# KiCad board pompyboard.kicad_pcb
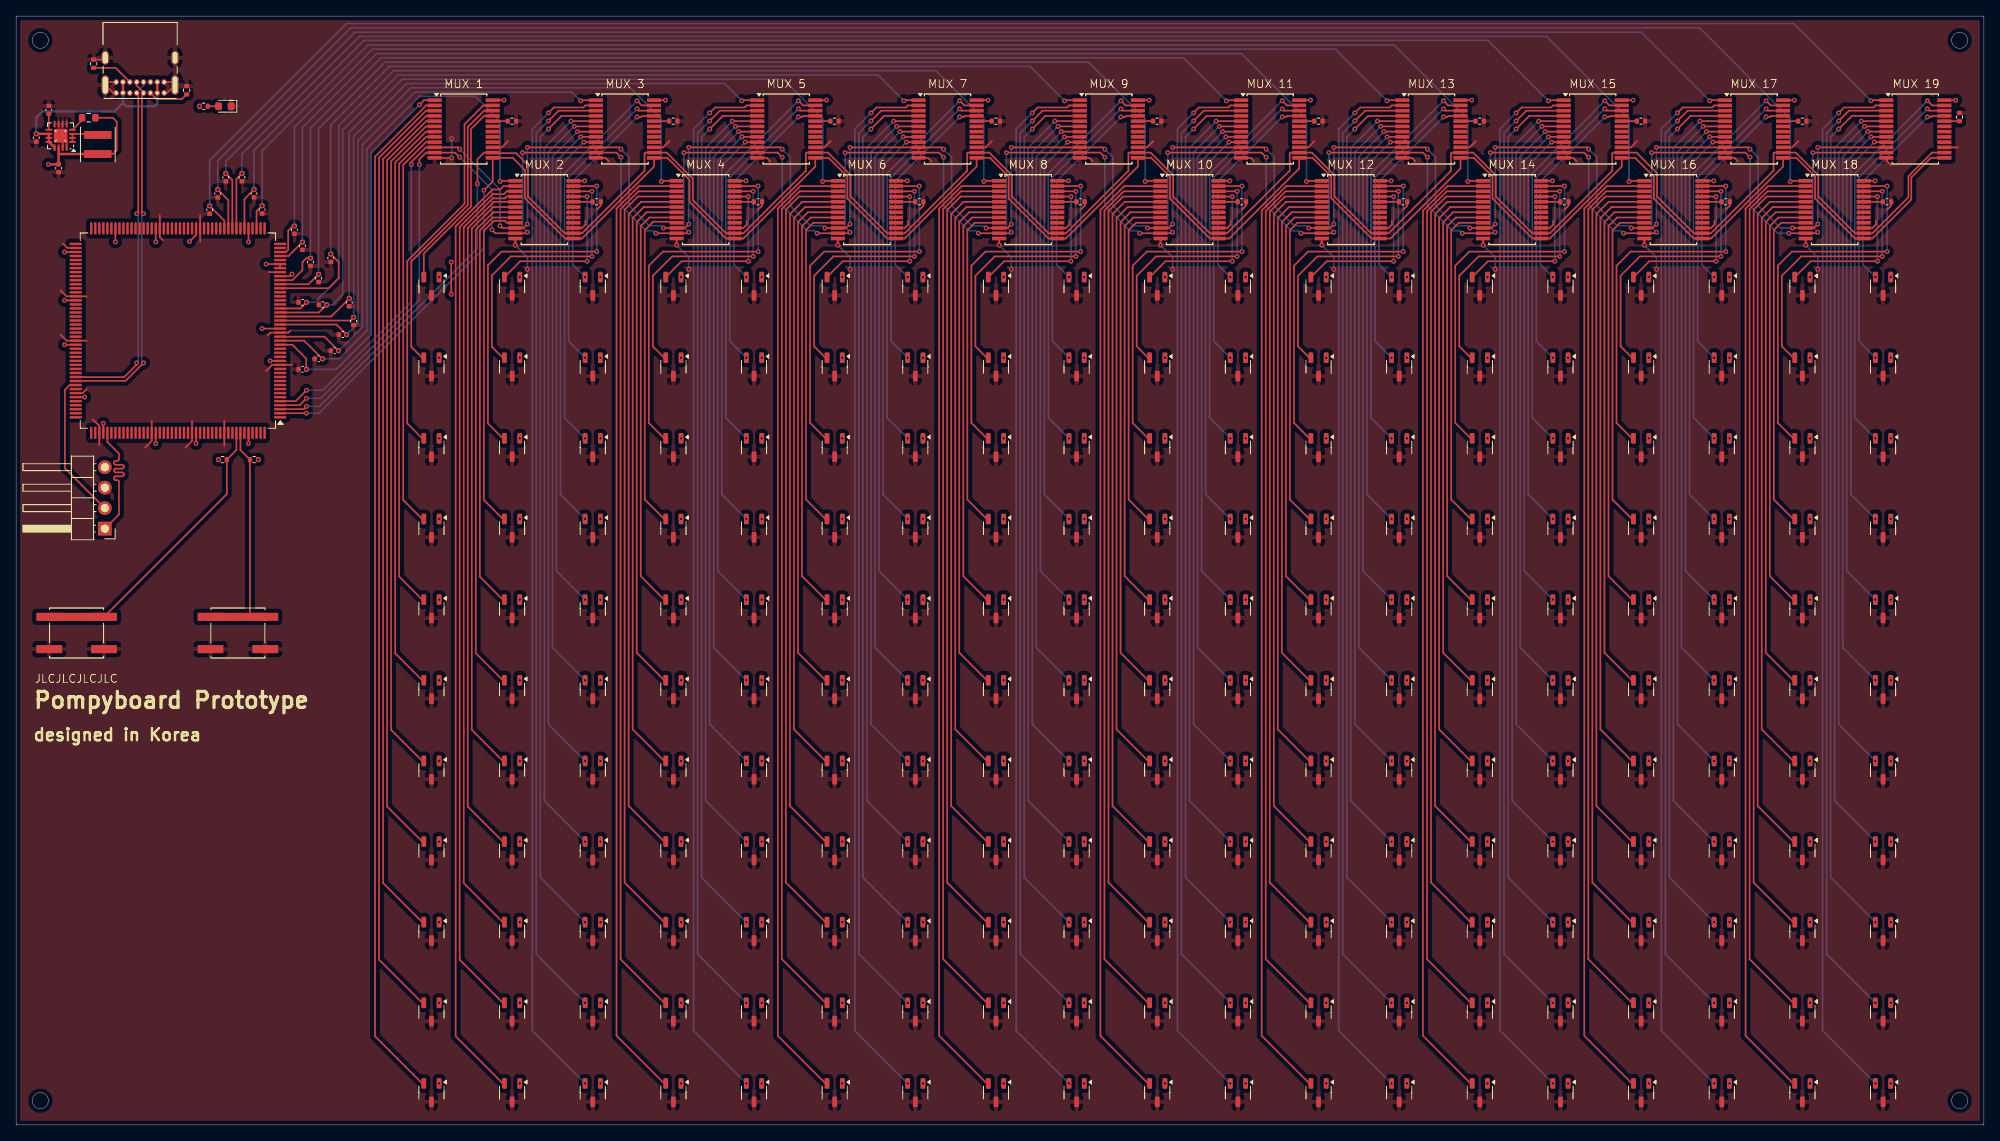
[diagram p0: board, top side]
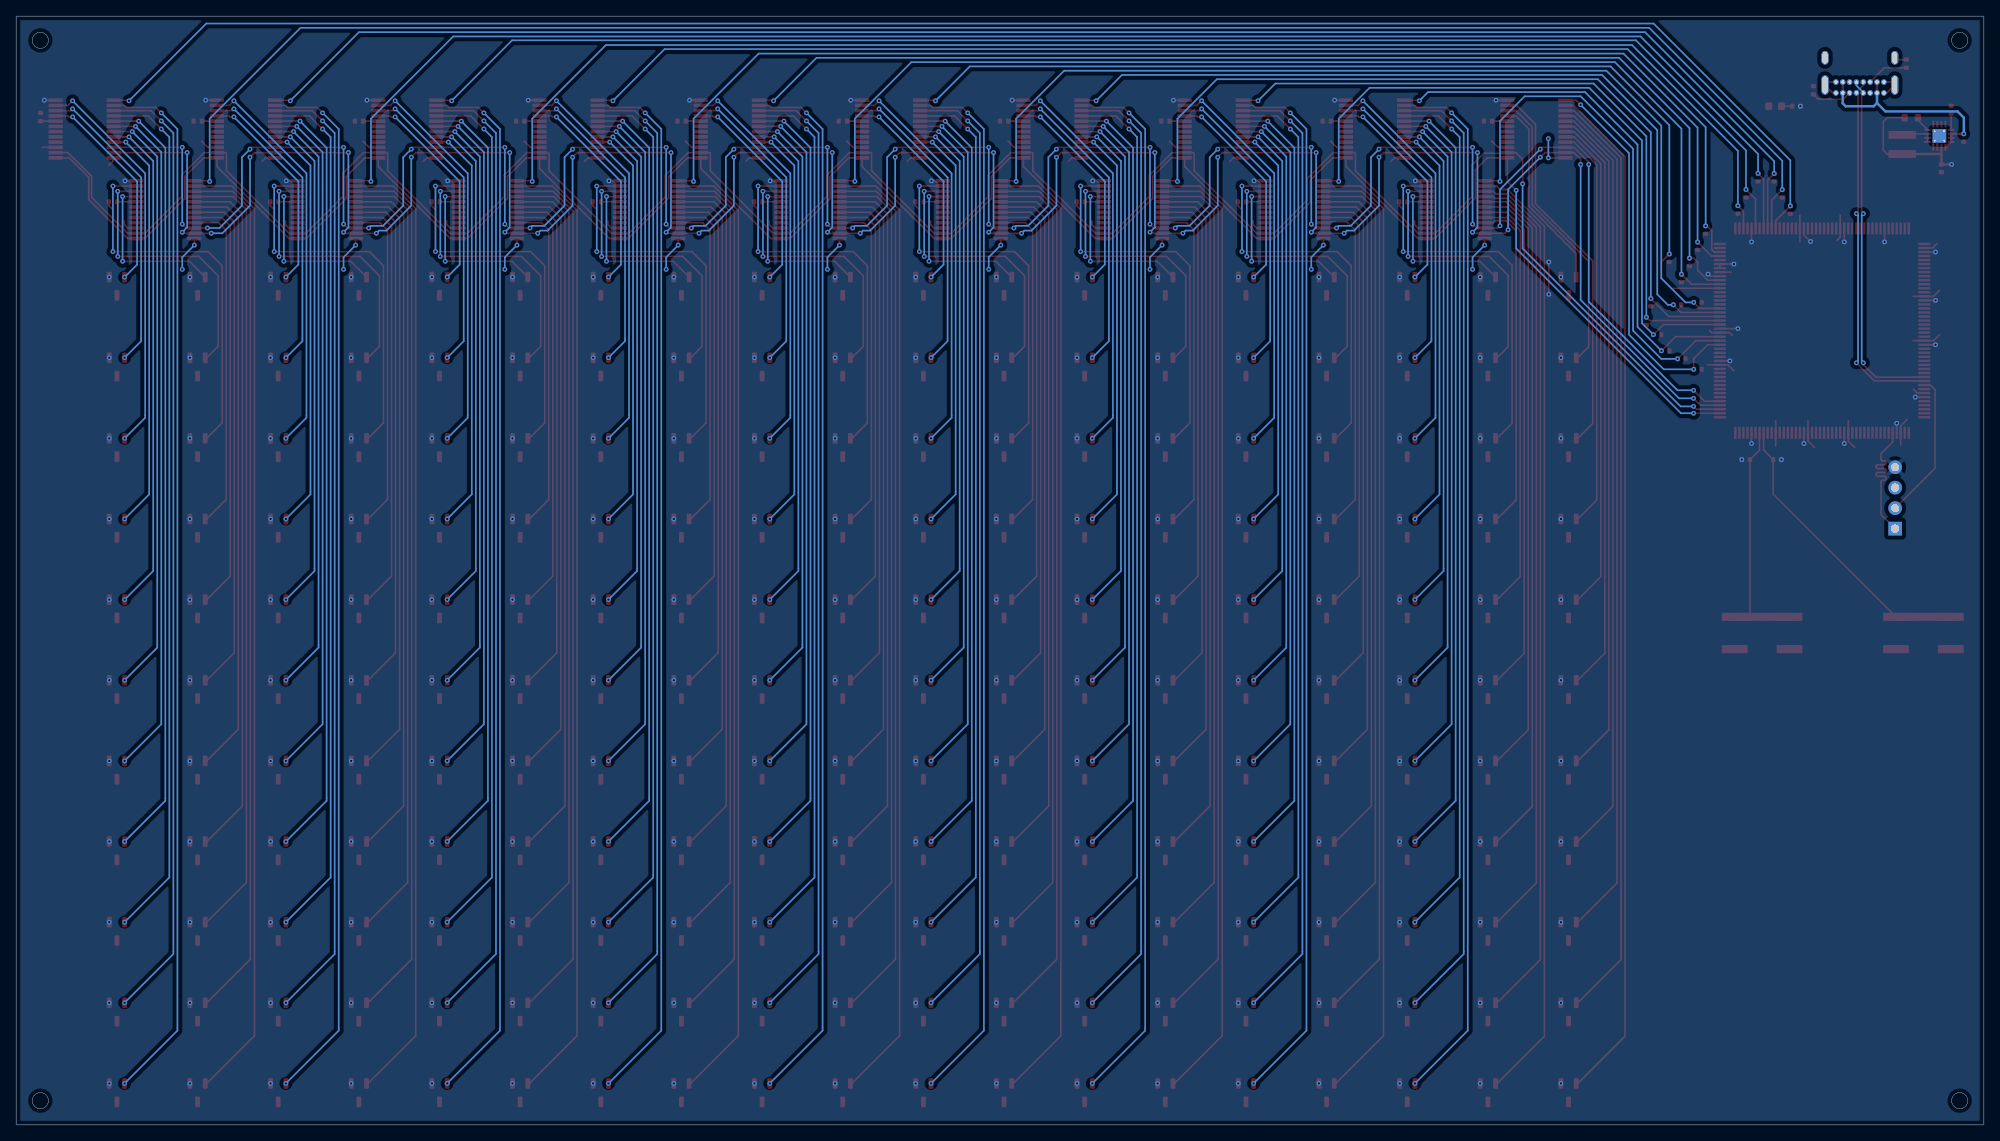
[diagram p1: board, bottom side, seen from below]

Outline 244 x 137.5 mm; copper layers: Top, Bottom. Coordinates in mm from the lower left corner of the outline.
Outline path: rectangle 0,137.5 244,0 ; circle c3,134.5 r1 ; circle c3,3 r1 ; circle c241,134.5 r1 ; circle c241,3 r1
Stack: Top 0.035mm / dielectric 1.51mm FR4 er 4.5 / Bottom 0.035mm

## Placement (name value [footprint] x y rotation side)
C1  0.1u  [C_0402_1005Metric]  35.5 93.7 0 top
C2  0.1u  [C_0402_1005Metric]  37.5 95 0 top
C3  0.1u  [C_0402_1005Metric]  39.5 96 0 top
C4  0.1u  [C_0402_1005Metric]  40.5 98 0 top
C5  0.1u  [C_0402_1005Metric]  41.85 99.67 90 top
C6  0.1u  [C_0402_1005Metric]  41.3 102 90 top
C7  0.1u  [C_0402_1005Metric]  38.02 101.7 0 top
C8  0.1u  [C_0402_1005Metric]  35.5 102 0 top
C9  0.1u  [C_0402_1005Metric]  39.02 107.5 90 top
C10  0.1u  [C_0402_1005Metric]  37.5 105 90 top
C11  0.1u  [C_0402_1005Metric]  36.5 107 90 top
C12  0.1u  [C_0402_1005Metric]  35.5 109 90 top
C13  0.1u  [C_0402_1005Metric]  34.5 111 90 top
C14  0.1u  [C_0402_1005Metric]  30.5 113.5 90 top
C15  0.1u  [C_0402_1005Metric]  29.5 115.5 90 top
C16  0.1u  [C_0402_1005Metric]  28 117.5 90 top
C17  0.1u  [C_0402_1005Metric]  26 117.5 90 top
C18  0.1u  [C_0402_1005Metric]  25 115.5 90 top
C19  0.1u  [C_0402_1005Metric]  24 113.48 90 top
C20  10u  [C_0402_1005Metric]  2.5 122.42 270 top
C21  3.3n  [C_0402_1005Metric]  4.05 125.88 90 top
C22  22u  [C_0402_1005Metric]  5.27 118.63 270 top
D1  F.0603.00139/P2-0603R1TS2-06T-002  [LED_0603_1608Metric]  25.88 126.33 180 top
J1  USB_C_Receptacle_USB2.0_16P  [USB_C_Receptacle_GCT_USB4085]  18.35 127.97 180 top
J2  Conn_01x04_Pin  [PinHeader_1x04_P2.54mm_Horizontal]  11 73.94 180 top
L1  2.2u  [L_Coilcraft_XxL4020]  10.13 121.59 270 top
R1  1k  [R_0402_1005Metric]  61.48 124.47 0 top
R2  1k  [R_0402_1005Metric]  71.98 114.47 0 top
R3  1k  [R_0402_1005Metric]  81.48 124.47 0 top
R4  1k  [R_0402_1005Metric]  91.98 114.47 0 top
R5  1k  [R_0402_1005Metric]  101.48 124.47 0 top
R6  1k  [R_0402_1005Metric]  111.99 114.47 0 top
R7  1k  [R_0402_1005Metric]  121.49 124.47 0 top
R8  1k  [R_0402_1005Metric]  131.99 114.47 0 top
R9  1k  [R_0402_1005Metric]  141.49 124.47 0 top
R10  1k  [R_0402_1005Metric]  151.99 114.47 0 top
R11  1k  [R_0402_1005Metric]  161.49 124.47 0 top
R12  1k  [R_0402_1005Metric]  171.99 114.47 0 top
R13  1k  [R_0402_1005Metric]  181.49 124.47 0 top
R14  1k  [R_0402_1005Metric]  191.99 114.47 0 top
R15  1k  [R_0402_1005Metric]  201.49 124.47 0 top
R16  1k  [R_0402_1005Metric]  211.99 114.47 0 top
R17  1k  [R_0402_1005Metric]  221.49 124.47 0 top
R18  1k  [R_0402_1005Metric]  231.99 114.47 0 top
R19  1k  [R_0402_1005Metric]  240.98 124.98 90 top
R20  10k  [R_0402_1005Metric]  29.51 82.5 180 top
R21  10k  [R_0402_1005Metric]  25.62 82.5 0 top
R22  5.1k  [R_0402_1005Metric]  9.61 131.6 90 top
R23  5.1k  [R_0402_1005Metric]  21.15 128.31 270 top
R24  100k  [R_0603_1608Metric]  9 124.9 180 top
R25  1k  [R_0402_1005Metric]  23.26 126.33 0 top
SW1  EVQQ2B03W  [SW_SPST_EVQQ2]  27.5 61 0 top
SW2  EVQQ2B03W  [SW_SPST_EVQQ2]  7.5 61 0 top
U1  AH49HSC  [SOT-23-3]  51.5 104 270 top
U2  AH49HSC  [SOT-23-3]  61.5 104 270 top
U3  AH49HSC  [SOT-23-3]  71.5 104 270 top
U4  AH49HSC  [SOT-23-3]  81.5 104 270 top
U5  AH49HSC  [SOT-23-3]  91.5 104 270 top
U6  AH49HSC  [SOT-23-3]  101.5 104 270 top
U7  AH49HSC  [SOT-23-3]  111.5 104 270 top
U8  AH49HSC  [SOT-23-3]  121.5 104 270 top
U9  AH49HSC  [SOT-23-3]  131.5 104 270 top
U10  AH49HSC  [SOT-23-3]  141.5 104 270 top
U11  AH49HSC  [SOT-23-3]  151.5 104 270 top
U12  AH49HSC  [SOT-23-3]  161.5 104 270 top
U13  AH49HSC  [SOT-23-3]  171.5 104 270 top
U14  AH49HSC  [SOT-23-3]  181.5 104 270 top
U15  AH49HSC  [SOT-23-3]  191.5 104 270 top
U16  AH49HSC  [SOT-23-3]  201.5 104 270 top
U17  AH49HSC  [SOT-23-3]  211.5 104 270 top
U18  AH49HSC  [SOT-23-3]  221.5 104 270 top
U19  AH49HSC  [SOT-23-3]  231.5 104 270 top
U20  AH49HSC  [SOT-23-3]  51.5 94 270 top
U21  AH49HSC  [SOT-23-3]  61.5 94 270 top
U22  AH49HSC  [SOT-23-3]  71.5 94 270 top
U23  AH49HSC  [SOT-23-3]  81.5 94 270 top
U24  AH49HSC  [SOT-23-3]  91.5 94 270 top
U25  AH49HSC  [SOT-23-3]  101.5 94 270 top
U26  AH49HSC  [SOT-23-3]  111.5 94 270 top
U27  AH49HSC  [SOT-23-3]  121.5 94 270 top
U28  AH49HSC  [SOT-23-3]  131.5 94 270 top
U29  AH49HSC  [SOT-23-3]  141.5 94 270 top
U30  AH49HSC  [SOT-23-3]  151.5 94 270 top
U31  AH49HSC  [SOT-23-3]  161.5 94 270 top
U32  AH49HSC  [SOT-23-3]  171.5 94 270 top
U33  AH49HSC  [SOT-23-3]  181.5 94 270 top
U34  AH49HSC  [SOT-23-3]  191.5 94 270 top
U35  AH49HSC  [SOT-23-3]  201.5 94 270 top
U36  AH49HSC  [SOT-23-3]  211.5 94 270 top
U37  AH49HSC  [SOT-23-3]  221.5 94 270 top
U38  AH49HSC  [SOT-23-3]  231.5 94 270 top
U39  AH49HSC  [SOT-23-3]  51.5 84 270 top
U40  AH49HSC  [SOT-23-3]  61.5 84 270 top
U41  AH49HSC  [SOT-23-3]  71.5 84 270 top
U42  AH49HSC  [SOT-23-3]  81.5 84 270 top
U43  AH49HSC  [SOT-23-3]  91.5 84 270 top
U44  AH49HSC  [SOT-23-3]  101.5 84 270 top
U45  AH49HSC  [SOT-23-3]  111.5 84 270 top
U46  AH49HSC  [SOT-23-3]  121.5 84 270 top
U47  AH49HSC  [SOT-23-3]  131.5 84 270 top
U48  AH49HSC  [SOT-23-3]  141.5 84 270 top
U49  AH49HSC  [SOT-23-3]  151.5 84 270 top
U50  AH49HSC  [SOT-23-3]  161.5 84 270 top
U51  AH49HSC  [SOT-23-3]  171.5 84 270 top
U52  AH49HSC  [SOT-23-3]  181.5 84 270 top
U53  AH49HSC  [SOT-23-3]  191.5 84 270 top
U54  AH49HSC  [SOT-23-3]  201.5 84 270 top
U55  AH49HSC  [SOT-23-3]  211.5 84 270 top
U56  AH49HSC  [SOT-23-3]  221.5 84 270 top
U57  AH49HSC  [SOT-23-3]  231.5 84 270 top
U58  AH49HSC  [SOT-23-3]  51.5 74 270 top
U59  AH49HSC  [SOT-23-3]  61.5 74 270 top
U60  AH49HSC  [SOT-23-3]  71.5 74 270 top
U61  AH49HSC  [SOT-23-3]  81.5 74 270 top
U62  AH49HSC  [SOT-23-3]  91.5 74 270 top
U63  AH49HSC  [SOT-23-3]  101.5 74 270 top
U64  AH49HSC  [SOT-23-3]  111.5 74 270 top
U65  AH49HSC  [SOT-23-3]  121.5 74 270 top
U66  AH49HSC  [SOT-23-3]  131.5 74 270 top
U67  AH49HSC  [SOT-23-3]  141.5 74 270 top
U68  AH49HSC  [SOT-23-3]  151.5 74 270 top
U69  AH49HSC  [SOT-23-3]  161.5 74 270 top
U70  AH49HSC  [SOT-23-3]  171.5 74 270 top
U71  AH49HSC  [SOT-23-3]  181.5 74 270 top
U72  AH49HSC  [SOT-23-3]  191.5 74 270 top
U73  AH49HSC  [SOT-23-3]  201.5 74 270 top
U74  AH49HSC  [SOT-23-3]  211.5 74 270 top
U75  AH49HSC  [SOT-23-3]  221.5 74 270 top
U76  AH49HSC  [SOT-23-3]  231.5 74 270 top
U77  AH49HSC  [SOT-23-3]  51.5 64 270 top
U78  AH49HSC  [SOT-23-3]  61.5 64 270 top
U79  AH49HSC  [SOT-23-3]  71.5 64 270 top
U80  AH49HSC  [SOT-23-3]  81.5 64 270 top
U81  AH49HSC  [SOT-23-3]  91.5 64 270 top
U82  AH49HSC  [SOT-23-3]  101.5 64 270 top
U83  AH49HSC  [SOT-23-3]  111.5 64 270 top
U84  AH49HSC  [SOT-23-3]  121.5 64 270 top
U85  AH49HSC  [SOT-23-3]  131.5 64 270 top
U86  AH49HSC  [SOT-23-3]  141.5 64 270 top
U87  AH49HSC  [SOT-23-3]  151.5 64 270 top
U88  AH49HSC  [SOT-23-3]  161.5 64 270 top
U89  AH49HSC  [SOT-23-3]  171.5 64 270 top
U90  AH49HSC  [SOT-23-3]  181.5 64 270 top
U91  AH49HSC  [SOT-23-3]  191.5 64 270 top
U92  AH49HSC  [SOT-23-3]  201.5 64 270 top
U93  AH49HSC  [SOT-23-3]  211.5 64 270 top
U94  AH49HSC  [SOT-23-3]  221.5 64 270 top
U95  AH49HSC  [SOT-23-3]  231.5 64 270 top
U96  AH49HSC  [SOT-23-3]  51.5 54 270 top
U97  AH49HSC  [SOT-23-3]  61.5 54 270 top
U98  AH49HSC  [SOT-23-3]  71.5 54 270 top
U99  AH49HSC  [SOT-23-3]  81.5 54 270 top
U100  AH49HSC  [SOT-23-3]  91.5 54 270 top
U101  AH49HSC  [SOT-23-3]  101.5 54 270 top
U102  AH49HSC  [SOT-23-3]  111.5 54 270 top
U103  AH49HSC  [SOT-23-3]  121.5 54 270 top
U104  AH49HSC  [SOT-23-3]  131.5 54 270 top
U105  AH49HSC  [SOT-23-3]  141.5 54 270 top
U106  AH49HSC  [SOT-23-3]  151.5 54 270 top
U107  AH49HSC  [SOT-23-3]  161.5 54 270 top
U108  AH49HSC  [SOT-23-3]  171.5 54 270 top
U109  AH49HSC  [SOT-23-3]  181.5 54 270 top
U110  AH49HSC  [SOT-23-3]  191.5 54 270 top
U111  AH49HSC  [SOT-23-3]  201.5 54 270 top
U112  AH49HSC  [SOT-23-3]  211.5 54 270 top
U113  AH49HSC  [SOT-23-3]  221.5 54 270 top
U114  AH49HSC  [SOT-23-3]  231.5 54 270 top
U115  AH49HSC  [SOT-23-3]  51.5 44 270 top
U116  AH49HSC  [SOT-23-3]  61.5 44 270 top
U117  AH49HSC  [SOT-23-3]  71.5 44 270 top
U118  AH49HSC  [SOT-23-3]  81.5 44 270 top
U119  AH49HSC  [SOT-23-3]  91.5 44 270 top
U120  AH49HSC  [SOT-23-3]  101.5 44 270 top
U121  AH49HSC  [SOT-23-3]  111.5 44 270 top
U122  AH49HSC  [SOT-23-3]  121.5 44 270 top
U123  AH49HSC  [SOT-23-3]  131.5 44 270 top
U124  AH49HSC  [SOT-23-3]  141.5 44 270 top
U125  AH49HSC  [SOT-23-3]  151.5 44 270 top
U126  AH49HSC  [SOT-23-3]  161.5 44 270 top
U127  AH49HSC  [SOT-23-3]  171.5 44 270 top
U128  AH49HSC  [SOT-23-3]  181.5 44 270 top
U129  AH49HSC  [SOT-23-3]  191.5 44 270 top
U130  AH49HSC  [SOT-23-3]  201.5 44 270 top
U131  AH49HSC  [SOT-23-3]  211.5 44 270 top
U132  AH49HSC  [SOT-23-3]  221.5 44 270 top
U133  AH49HSC  [SOT-23-3]  231.5 44 270 top
U134  AH49HSC  [SOT-23-3]  51.5 34 270 top
U135  AH49HSC  [SOT-23-3]  61.5 34 270 top
U136  AH49HSC  [SOT-23-3]  71.5 34 270 top
U137  AH49HSC  [SOT-23-3]  81.5 34 270 top
U138  AH49HSC  [SOT-23-3]  91.5 34 270 top
U139  AH49HSC  [SOT-23-3]  101.5 34 270 top
U140  AH49HSC  [SOT-23-3]  111.5 34 270 top
U141  AH49HSC  [SOT-23-3]  121.5 34 270 top
U142  AH49HSC  [SOT-23-3]  131.5 34 270 top
U143  AH49HSC  [SOT-23-3]  141.5 34 270 top
U144  AH49HSC  [SOT-23-3]  151.5 34 270 top
U145  AH49HSC  [SOT-23-3]  161.5 34 270 top
U146  AH49HSC  [SOT-23-3]  171.5 34 270 top
U147  AH49HSC  [SOT-23-3]  181.5 34 270 top
U148  AH49HSC  [SOT-23-3]  191.5 34 270 top
U149  AH49HSC  [SOT-23-3]  201.5 34 270 top
U150  AH49HSC  [SOT-23-3]  211.5 34 270 top
U151  AH49HSC  [SOT-23-3]  221.5 34 270 top
U152  AH49HSC  [SOT-23-3]  231.5 34 270 top
U153  AH49HSC  [SOT-23-3]  51.5 24 270 top
U154  AH49HSC  [SOT-23-3]  61.5 24 270 top
U155  AH49HSC  [SOT-23-3]  71.5 24 270 top
U156  AH49HSC  [SOT-23-3]  81.5 24 270 top
U157  AH49HSC  [SOT-23-3]  91.5 24 270 top
U158  AH49HSC  [SOT-23-3]  101.5 24 270 top
U159  AH49HSC  [SOT-23-3]  111.5 24 270 top
U160  AH49HSC  [SOT-23-3]  121.5 24 270 top
U161  AH49HSC  [SOT-23-3]  131.5 24 270 top
U162  AH49HSC  [SOT-23-3]  141.5 24 270 top
U163  AH49HSC  [SOT-23-3]  151.5 24 270 top
U164  AH49HSC  [SOT-23-3]  161.5 24 270 top
U165  AH49HSC  [SOT-23-3]  171.5 24 270 top
U166  AH49HSC  [SOT-23-3]  181.5 24 270 top
U167  AH49HSC  [SOT-23-3]  191.5 24 270 top
U168  AH49HSC  [SOT-23-3]  201.5 24 270 top
U169  AH49HSC  [SOT-23-3]  211.5 24 270 top
U170  AH49HSC  [SOT-23-3]  221.5 24 270 top
U171  AH49HSC  [SOT-23-3]  231.5 24 270 top
U172  AH49HSC  [SOT-23-3]  51.5 14 270 top
U173  AH49HSC  [SOT-23-3]  61.5 14 270 top
U174  AH49HSC  [SOT-23-3]  71.5 14 270 top
U175  AH49HSC  [SOT-23-3]  81.5 14 270 top
U176  AH49HSC  [SOT-23-3]  91.5 14 270 top
U177  AH49HSC  [SOT-23-3]  101.5 14 270 top
U178  AH49HSC  [SOT-23-3]  111.5 14 270 top
U179  AH49HSC  [SOT-23-3]  121.5 14 270 top
U180  AH49HSC  [SOT-23-3]  131.5 14 270 top
U181  AH49HSC  [SOT-23-3]  141.5 14 270 top
U182  AH49HSC  [SOT-23-3]  151.5 14 270 top
U183  AH49HSC  [SOT-23-3]  161.5 14 270 top
U184  AH49HSC  [SOT-23-3]  171.5 14 270 top
U185  AH49HSC  [SOT-23-3]  181.5 14 270 top
U186  AH49HSC  [SOT-23-3]  191.5 14 270 top
U187  AH49HSC  [SOT-23-3]  201.5 14 270 top
U188  AH49HSC  [SOT-23-3]  211.5 14 270 top
U189  AH49HSC  [SOT-23-3]  221.5 14 270 top
U190  AH49HSC  [SOT-23-3]  231.5 14 270 top
U191  AH49HSC  [SOT-23-3]  51.5 4 270 top
U192  AH49HSC  [SOT-23-3]  61.5 4 270 top
U193  AH49HSC  [SOT-23-3]  71.5 4 270 top
U194  AH49HSC  [SOT-23-3]  81.5 4 270 top
U195  AH49HSC  [SOT-23-3]  91.5 4 270 top
U196  AH49HSC  [SOT-23-3]  101.5 4 270 top
U197  AH49HSC  [SOT-23-3]  111.5 4 270 top
U198  AH49HSC  [SOT-23-3]  121.5 4 270 top
U199  AH49HSC  [SOT-23-3]  131.5 4 270 top
U200  AH49HSC  [SOT-23-3]  141.5 4 270 top
U201  AH49HSC  [SOT-23-3]  151.5 4 270 top
U202  AH49HSC  [SOT-23-3]  161.5 4 270 top
U203  AH49HSC  [SOT-23-3]  171.5 4 270 top
U204  AH49HSC  [SOT-23-3]  181.5 4 270 top
U205  AH49HSC  [SOT-23-3]  191.5 4 270 top
U206  AH49HSC  [SOT-23-3]  201.5 4 270 top
U207  AH49HSC  [SOT-23-3]  211.5 4 270 top
U208  AH49HSC  [SOT-23-3]  221.5 4 270 top
U209  AH49HSC  [SOT-23-3]  231.5 4 270 top
U210  CD74HC4067SM96  [SSOP-24_5.3x8.2mm_P0.65mm]  55.5 123.5 0 top
U211  CD74HC4067SM96  [SSOP-24_5.3x8.2mm_P0.65mm]  65.5 113.5 0 top
U212  CD74HC4067SM96  [SSOP-24_5.3x8.2mm_P0.65mm]  75.5 123.5 0 top
U213  CD74HC4067SM96  [SSOP-24_5.3x8.2mm_P0.65mm]  85.5 113.5 0 top
U214  CD74HC4067SM96  [SSOP-24_5.3x8.2mm_P0.65mm]  95.5 123.5 0 top
U215  CD74HC4067SM96  [SSOP-24_5.3x8.2mm_P0.65mm]  105.5 113.5 0 top
U216  CD74HC4067SM96  [SSOP-24_5.3x8.2mm_P0.65mm]  115.5 123.5 0 top
U217  CD74HC4067SM96  [SSOP-24_5.3x8.2mm_P0.65mm]  125.5 113.5 0 top
U218  CD74HC4067SM96  [SSOP-24_5.3x8.2mm_P0.65mm]  135.5 123.5 0 top
U219  CD74HC4067SM96  [SSOP-24_5.3x8.2mm_P0.65mm]  145.5 113.5 0 top
U220  CD74HC4067SM96  [SSOP-24_5.3x8.2mm_P0.65mm]  155.5 123.5 0 top
U221  CD74HC4067SM96  [SSOP-24_5.3x8.2mm_P0.65mm]  165.5 113.5 0 top
U222  CD74HC4067SM96  [SSOP-24_5.3x8.2mm_P0.65mm]  175.5 123.5 0 top
U223  CD74HC4067SM96  [SSOP-24_5.3x8.2mm_P0.65mm]  185.5 113.5 0 top
U224  CD74HC4067SM96  [SSOP-24_5.3x8.2mm_P0.65mm]  195.5 123.5 0 top
U225  CD74HC4067SM96  [SSOP-24_5.3x8.2mm_P0.65mm]  205.5 113.5 0 top
U226  CD74HC4067SM96  [SSOP-24_5.3x8.2mm_P0.65mm]  215.5 123.5 0 top
U227  CD74HC4067SM96  [SSOP-24_5.3x8.2mm_P0.65mm]  225.5 113.5 0 top
U228  CD74HC4067SM96  [SSOP-24_5.3x8.2mm_P0.65mm]  235.5 123.5 0 top
U229  STM32F429IGT6  [LQFP-176_24x24mm_P0.5mm]  20.06 98.5 180 top
U231  TPS62152  [VQFN-16-1EP_3x3mm_P0.5mm_EP1.68x1.68mm_ThermalVias]  5.52 122.65 180 top

## Library data of the parts
C1-C19 = -: Description: Unpolarized capacitor; LCSC Part #: C1525; ki_fp_filters: C_*
C20 = -: Description: Unpolarized capacitor; LCSC Part #: C315248; ki_fp_filters: C_*
C21 = -: Description: Unpolarized capacitor; LCSC Part #: C3881585; ki_fp_filters: C_*
C22 = -: Description: Unpolarized capacitor; LCSC Part #: C105226; ki_fp_filters: C_*
D1 = -: Datasheet: https://jlcpcb.com/api/file/downloadByFileSystemAccessId/8590909078942269440; Description: Light emitting diode; Sim.Pins: 1=K 2=A; LCSC Part #: C7496820; ki_fp_filters: LED* LED_SMD:* LED_THT:*
J1 = -: Datasheet: https://www.usb.org/sites/default/files/documents/usb_type-c.zip; Description: USB 2.0-only 16P Type-C Receptacle connector; LCSC Part #: C7095263; ki_fp_filters: USB*C*Receptacle*
J2 = -: Description: Generic connector, single row, 01x04, script generated; LCSC Part #: C32713263; ki_fp_filters: Connector*:*_1x??_*
L1 = -: Description: Inductor; LCSC Part #: C122469; ki_fp_filters: Choke_* *Coil* Inductor_* L_*
R1-R19 R25 = -: Description: Resistor; LCSC Part #: C11702; ki_fp_filters: R_*
R20 R21 = -: Description: Resistor; LCSC Part #: C25744; ki_fp_filters: R_*
R22 R23 = -: Description: Resistor; LCSC Part #: C25905; ki_fp_filters: R_*
R24 = -: Description: Resistor; LCSC Part #: C22369815; ki_fp_filters: R_*
SW1 SW2 = -: Description: Push button switch, generic, two pins; LCSC Part #: C79178
U1-U209 = -: LCSC Part #: C510723; ki_fp_filters: SOT?23*
U210-U228 = -: Datasheet: http://www.ti.com/lit/ds/symlink/cd74hc4067.pdf; Description: High-Speed CMOS Logic 16-Channel Analog Multiplexer/Demultiplexer, SSOP-24; ki_fp_filters: SSOP*5.3x8.2mm*P0.65mm*
U229 = -: Datasheet: https://www.st.com/resource/en/datasheet/stm32f429ig.pdf; Description: STMicroelectronics Arm Cortex-M4 MCU, 1024KB flash, 256KB RAM, 180 MHz, 1.8-3.6V, 140 GPIO, LQFP176; ki_fp_filters: LQFP*24x24mm*P0.5mm*
U231 = -: Datasheet: http://www.ti.com/lit/ds/symlink/TPS62150.pdf; Description: 1A Step-Down Converter with DCS-Control, Fixed 3.3V Output Voltage, 3-17V Input Voltage, QFN-16; LCSC Part #: C2070611; ki_fp_filters: VQFN*1EP*3x3mm*P0.5mm*

## Footprints (pads in the part's own frame, mm; a bottom-side part is the same pattern mirrored in y, then rotated)
C_0402_1005Metric
  rrect 0.56x0.62 smd: 1(-0.48,0) 2(0.48,0)
L_Coilcraft_XxL4020
  rect 0.98x3.4 smd: 1(-1.185,0) 2(1.185,0)
LED_0603_1608Metric
  rrect 0.875x0.95 smd: 1(-0.787,0) 2(0.787,0)
LQFP-176_24x24mm_P0.5mm
  rrect 1.5x0.3 smd: 1(-12.675,10.75) 2(-12.675,10.25) 3(-12.675,9.75) 4(-12.675,9.25) 5(-12.675,8.75) 6(-12.675,8.25) 7(-12.675,7.75) 8(-12.675,7.25) 9(-12.675,6.75) 10(-12.675,6.25) 11(-12.675,5.75) 12(-12.675,5.25) 13(-12.675,4.75) 14(-12.675,4.25) 15(-12.675,3.75) 16(-12.675,3.25) 17(-12.675,2.75) 18(-12.675,2.25) 19(-12.675,1.75) 20(-12.675,1.25) 21(-12.675,0.75) 22(-12.675,0.25) 23(-12.675,-0.25) 24(-12.675,-0.75) 25(-12.675,-1.25) 26(-12.675,-1.75) 27(-12.675,-2.25) 28(-12.675,-2.75) 29(-12.675,-3.25) 30(-12.675,-3.75) 31(-12.675,-4.25) 32(-12.675,-4.75) 33(-12.675,-5.25) 34(-12.675,-5.75) 35(-12.675,-6.25) 36(-12.675,-6.75) 37(-12.675,-7.25) 38(-12.675,-7.75) 39(-12.675,-8.25) 40(-12.675,-8.75) 41(-12.675,-9.25) 42(-12.675,-9.75) 43(-12.675,-10.25) 44(-12.675,-10.75) 89(12.675,-10.75) 90(12.675,-10.25) 91(12.675,-9.75) 92(12.675,-9.25) 93(12.675,-8.75) 94(12.675,-8.25) 95(12.675,-7.75) 96(12.675,-7.25) 97(12.675,-6.75) 98(12.675,-6.25) 99(12.675,-5.75) 100(12.675,-5.25) 101(12.675,-4.75) 102(12.675,-4.25) 103(12.675,-3.75) 104(12.675,-3.25) 105(12.675,-2.75) 106(12.675,-2.25) 107(12.675,-1.75) 108(12.675,-1.25) 109(12.675,-0.75) 110(12.675,-0.25) 111(12.675,0.25) 112(12.675,0.75) 113(12.675,1.25) 114(12.675,1.75) 115(12.675,2.25) 116(12.675,2.75) 117(12.675,3.25) 118(12.675,3.75) 119(12.675,4.25) 120(12.675,4.75) 121(12.675,5.25) 122(12.675,5.75) 123(12.675,6.25) 124(12.675,6.75) 125(12.675,7.25) 126(12.675,7.75) 127(12.675,8.25) 128(12.675,8.75) 129(12.675,9.25) 130(12.675,9.75) 131(12.675,10.25) 132(12.675,10.75)
  rrect 0.3x1.5 smd: 45(-10.75,-12.675) 46(-10.25,-12.675) 47(-9.75,-12.675) 48(-9.25,-12.675) 49(-8.75,-12.675) 50(-8.25,-12.675) 51(-7.75,-12.675) 52(-7.25,-12.675) 53(-6.75,-12.675) 54(-6.25,-12.675) 55(-5.75,-12.675) 56(-5.25,-12.675) 57(-4.75,-12.675) 58(-4.25,-12.675) 59(-3.75,-12.675) 60(-3.25,-12.675) 61(-2.75,-12.675) 62(-2.25,-12.675) 63(-1.75,-12.675) 64(-1.25,-12.675) 65(-0.75,-12.675) 66(-0.25,-12.675) 67(0.25,-12.675) 68(0.75,-12.675) 69(1.25,-12.675) 70(1.75,-12.675) 71(2.25,-12.675) 72(2.75,-12.675) 73(3.25,-12.675) 74(3.75,-12.675) 75(4.25,-12.675) 76(4.75,-12.675) 77(5.25,-12.675) 78(5.75,-12.675) 79(6.25,-12.675) 80(6.75,-12.675) 81(7.25,-12.675) 82(7.75,-12.675) 83(8.25,-12.675) 84(8.75,-12.675) 85(9.25,-12.675) 86(9.75,-12.675) 87(10.25,-12.675) 88(10.75,-12.675) 133(10.75,12.675) 134(10.25,12.675) 135(9.75,12.675) 136(9.25,12.675) 137(8.75,12.675) 138(8.25,12.675) 139(7.75,12.675) 140(7.25,12.675) 141(6.75,12.675) 142(6.25,12.675) 143(5.75,12.675) 144(5.25,12.675) 145(4.75,12.675) 146(4.25,12.675) 147(3.75,12.675) 148(3.25,12.675) 149(2.75,12.675) 150(2.25,12.675) 151(1.75,12.675) 152(1.25,12.675) 153(0.75,12.675) 154(0.25,12.675) 155(-0.25,12.675) 156(-0.75,12.675) 157(-1.25,12.675) 158(-1.75,12.675) 159(-2.25,12.675) 160(-2.75,12.675) 161(-3.25,12.675) 162(-3.75,12.675) 163(-4.25,12.675) 164(-4.75,12.675) 165(-5.25,12.675) 166(-5.75,12.675) 167(-6.25,12.675) 168(-6.75,12.675) 169(-7.25,12.675) 170(-7.75,12.675) 171(-8.25,12.675) 172(-8.75,12.675) 173(-9.25,12.675) 174(-9.75,12.675) 175(-10.25,12.675) 176(-10.75,12.675)
PinHeader_1x04_P2.54mm_Horizontal
  rect 1.7x1.7 hole 1: 1(0,0)
  round 1.7 hole 1: 2(0,-2.54) 3(0,-5.08) 4(0,-7.62)
R_0402_1005Metric
  rrect 0.54x0.64 smd: 1(-0.51,0) 2(0.51,0)
R_0603_1608Metric
  rrect 0.8x0.95 smd: 1(-0.825,0) 2(0.825,0)
SOT-23-3
  rrect 1.325x0.6 smd: 1(-1.137,0.95) 2(-1.137,-0.95) 3(1.137,0)
SSOP-24_5.3x8.2mm_P0.65mm
  rect 1.75x0.45 smd: 1(-3.6,3.575) 2(-3.6,2.925) 3(-3.6,2.275) 4(-3.6,1.625) 5(-3.6,0.975) 6(-3.6,0.325) 7(-3.6,-0.325) 8(-3.6,-0.975) 9(-3.6,-1.625) 10(-3.6,-2.275) 11(-3.6,-2.925) 12(-3.6,-3.575) 13(3.6,-3.575) 14(3.6,-2.925) 15(3.6,-2.275) 16(3.6,-1.625) 17(3.6,-0.975) 18(3.6,-0.325) 19(3.6,0.325) 20(3.6,0.975) 21(3.6,1.625) 22(3.6,2.275) 23(3.6,2.925) 24(3.6,3.575)
SW_SPST_EVQQ2
  rect 3.2x1 smd: 1(-3.4,2) 1(3.4,2) 2(-3.4,-2) 2(3.4,-2)
USB_C_Receptacle_GCT_USB4085
  round 0.7 hole 0.4: A1(0,0) A4(0.85,0) A5(1.7,0) A6(2.55,0) A7(3.4,0) A8(4.25,0) A9(5.1,0) A12(5.95,0) B1(5.95,-1.35) B4(5.1,-1.35) B5(4.25,-1.35) B6(3.4,-1.35) B7(2.55,-1.35) B8(1.7,-1.35) B9(0.85,-1.35) B12(0,-1.35)
  oval 0.9x2.4 hole 0.6x2.1: S1(-1.35,-0.98) S1(7.3,-0.98)
  oval 0.9x1.7 hole 0.6x1.4: S1(-1.35,-4.36) S1(7.3,-4.36)
VQFN-16-1EP_3x3mm_P0.5mm_EP1.68x1.68mm_ThermalVias
  rrect 0.73x0.73 smd: (-0.42,0.42) (-0.42,-0.42) (0.42,0.42) (0.42,-0.42)
  rrect 0.825x0.25 smd: 1(-1.462,0.75) 2(-1.462,0.25) 3(-1.462,-0.25) 4(-1.462,-0.75) 9(1.462,-0.75) 10(1.462,-0.25) 11(1.462,0.25) 12(1.462,0.75)